# Allegro board trx_layout.brd (continued)
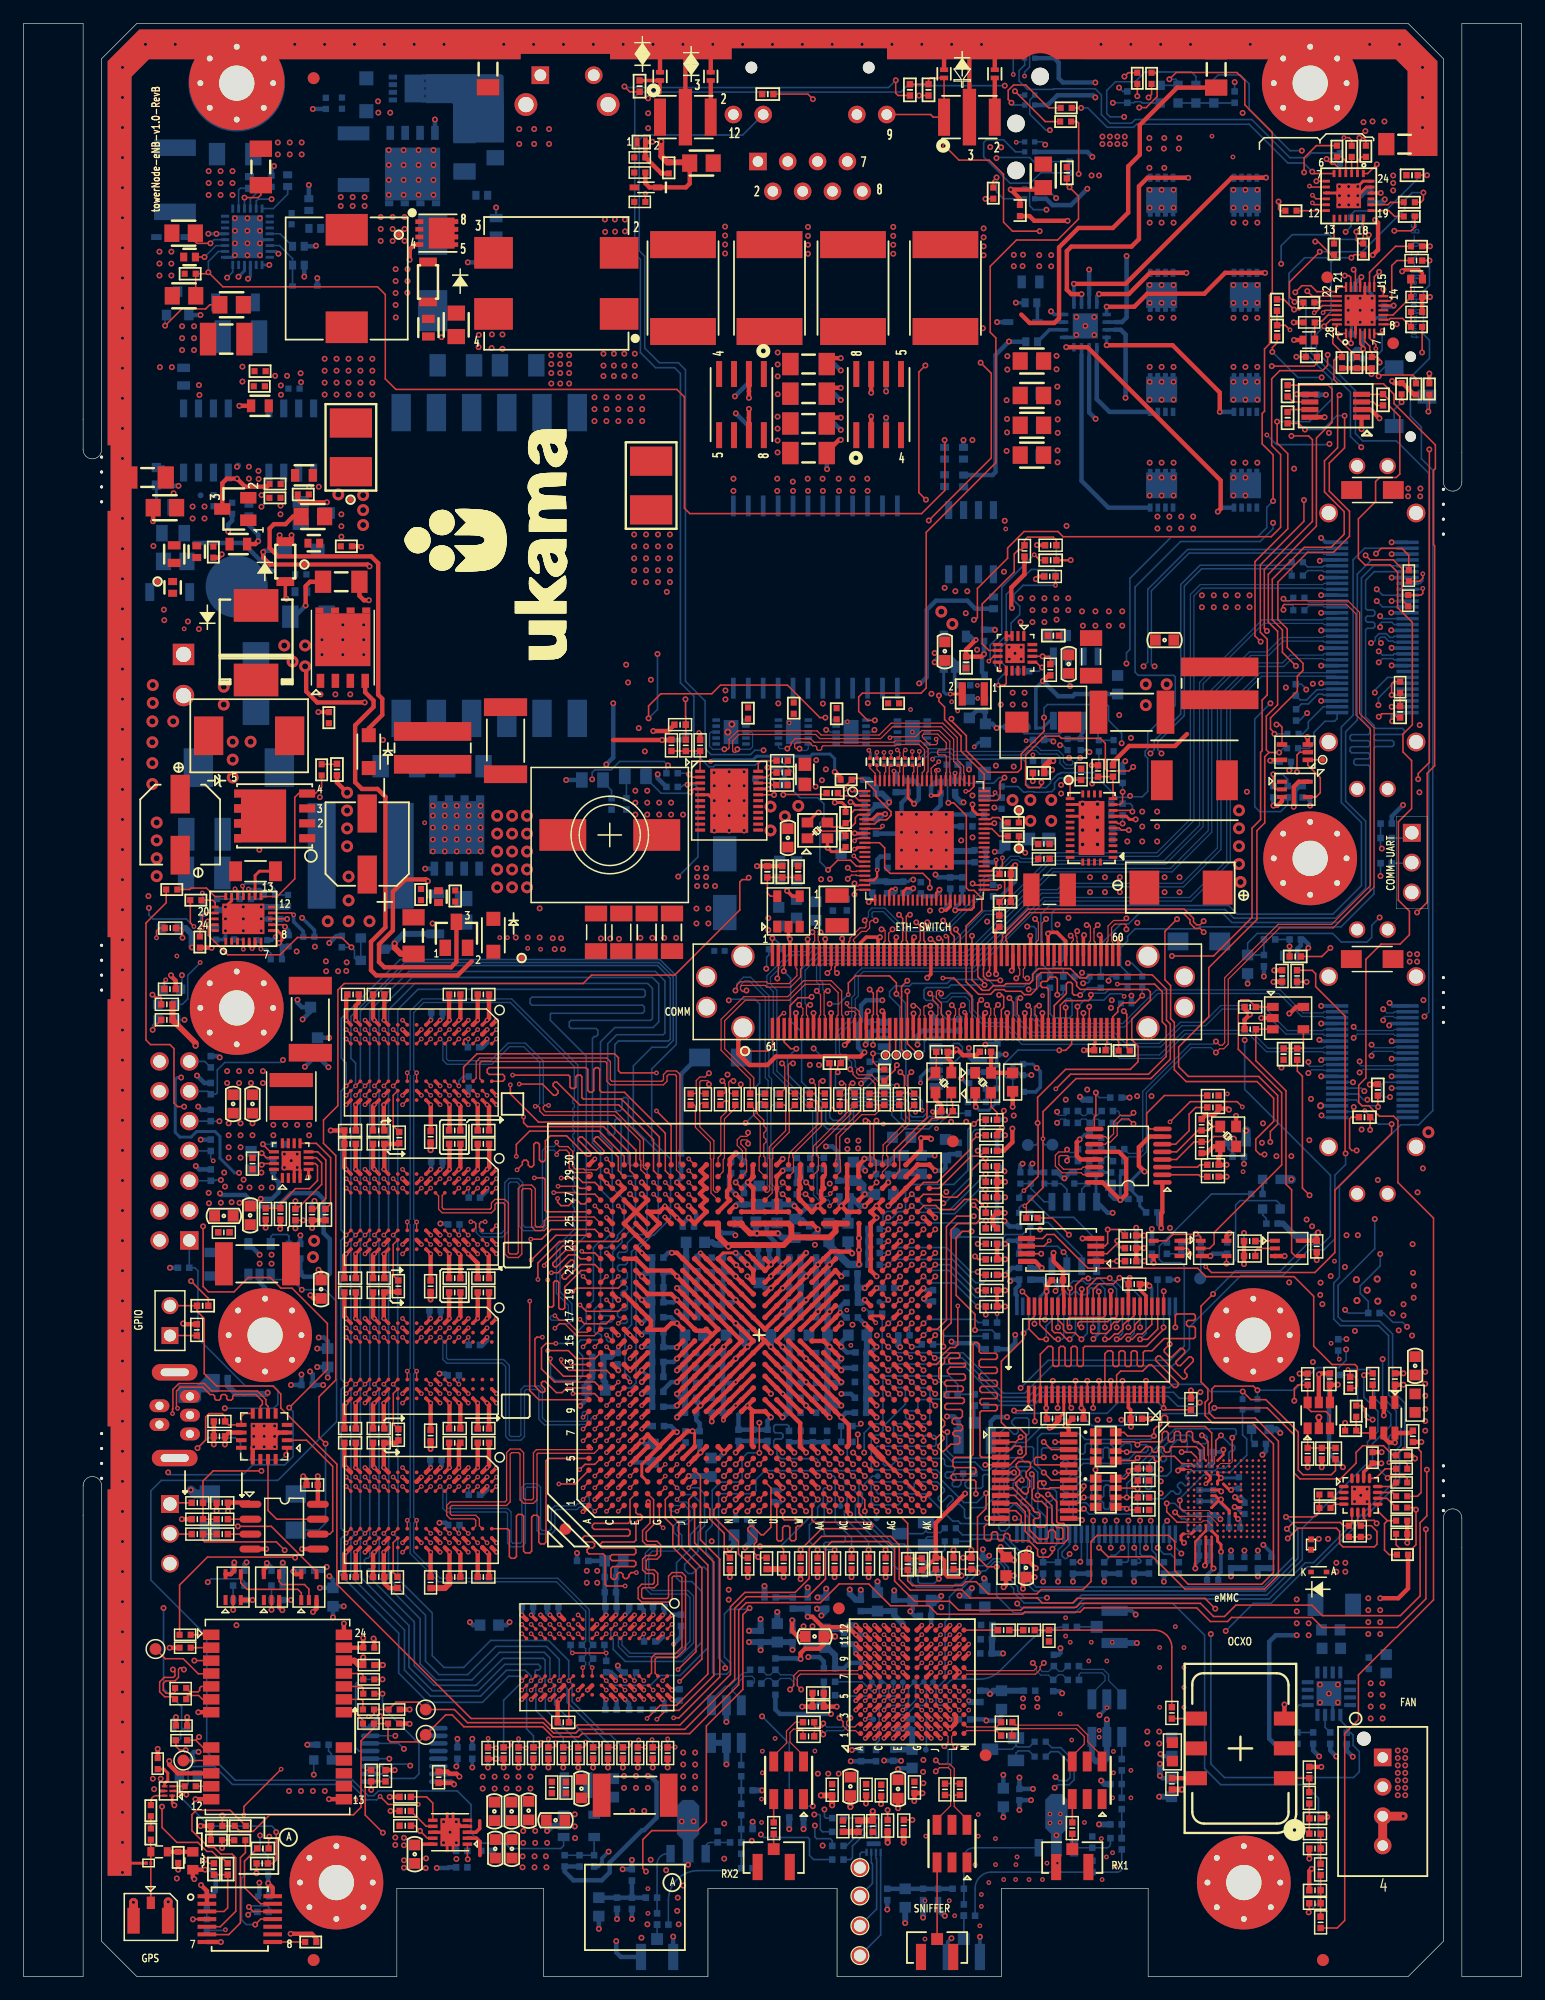
[diagram p0: board, top side]
## Library data of the parts (continued)
R2 R3 R5 R6 R202 R205-R209 R212 R215 R302 R304-R312 R485 R486 R651 R653 R654 = RES SMD 0OHM JUMPER 1/16W 0402
R2N1 R2N2 = RESN#1: signal model: RESISTOR50
R4 R22 R41 R632 R633 R662-R673 R683 = RES_0.0_OHM_1/16W_0402_SMD
R7 R120 R121 R140 R145 R148 R175 R183 R211 R229 R230 R296 R298 R370 R375 R379 R382 R384 R385 R388 R394 R395 R401 R410 R412 R413 R476 R477 R481-R484 R545 R546 R616 R622 R623 R627 R640 R641 R661 R675-R678 R682 R708-R715 = RES
R8 R9 R11 R95 R97 R102 R106-R109 R111 R115 R124-R127 R129 R131 R133 R134 R139 R142 R147 R150-R154 R159 R161-R166 R168 R170 R174 R178 R179 R189 R190 R194 R196-R200 R214 R216-R228 R233 R236 R295 R313 R316-R319 R324 R325 R329 R330 R333 R335 R337 R339 R341 R343-R346 R353-R356 R365 R366 R368 R369 R372-R374 R378 R381 R383 R386 R387 R389-R393 R396-R399 R405-R408 R414-R416 R418 R421 R424-R434 R440-R443 R452-R464 R474 R475 R638 R660 R699-R706 R720 R721 R724 R725 = R_0
R16 R19 R38 R39 R42 R43 R45-R49 R90 R268 R269 R272-R277 R679 = R_1
R18 = RES_10K_OHM_1/16W_1%_0402_SMD
R27 R29 R32 R35 R50 R53 R54 R58 R59 R99 R104 R245 R248 R250-R252 R255 R256 R259 R262 R263 R270 R271 R279 R281 R282 R284 R287 R299 = CR18-274JM
R33 R258 R419 R420 R657 R729-R731 = R
R40 = CR10-103JM_0
R44 = CR10-103JM_2
R51 = CR10-821JM
R52 = CR10-103JM_1
R55 R56 R280 = CR10-1242FM
R57 R60 R66 R169 R171 R173 R176 R283 R285 R357 R364 R688 R690 R697 R698 R722 R723 R726 R727 = RES_0ohm_0402_63mW
R65 R67 R71 R72 R112 R149 R231 = RES SMD 8.66K OHM 1% 1/10W 0402
R103 = RES: room: POWER
R116 R118 R119 R122 R128 R130 R132 R328 R331 R336 R338 = R_0603
R117 = R_4
R167 R181 R182 R719 = RES_10K_0402_1
R172 R177 = RES_0.9_OHM_1/10W_1%_0402_SMD
R185 = R: signal model: DEFAULT_RESISTOR_1000OHM_1_2
R204 R210 R213 R347 R350 R351 R367 R447 R625 R626 R652 R658 R659 R687 R691-R696 R707 = RES SMD 10K OHM 5% 1/16W 0402
R265 = 100K-1/16W-5%-0603_0
R267 R278 = RES_1.0_OHM_1/16W_0402_SMD
R327 R332 R334 R342 = R_0603_EIA-0402_49.9/1%
R348 R349 R352 R371 R689 = RES SMD 100K OHM 1% 1/16W 0402
R417 = RES: signal model: RES_EIA-0402_DISCRETE_22_22
R422 R423 R451 R467 = RES_0ohm_0402_0
R620 R621 R624 R637 R639 R642-R650 R680 R681 R716 = RES_10K_0402_63mW
R634-R636 R655 R674 = RESISTOR_0ohm_0402_100mw
R656 = R_2
S1 = SWITCH_0
SW1 = Tact Switch
SW10 = 87224-3
T1 = TRANS-VP3_8
T2 = TRANS-DA2125_5
TP2 TP3 TP12-TP15 TP25-TP53 = TestPad_0
TP17-TP24 = T POINT R
U1 = CN7130_4
U3 = BGA_AD9362BBCZ_0
U4 = TPS54319_1
U5 = SN74LVC1G08DCKR_0
U6 U18 U32 U33 U57 = 74LVC1G17SE-7 _0
U7 = TPS53353_0
U8 = LM73605_0
U9 U47 = SEP0640Q38CB_23
U10 = AAT3517
U11 U15 U23 U30 U35 = DDR3_128/256Mb*16
U12 = Oscillator_0
U13 = PI6C557-03BLE
U14 = TPS54319_2
U16 U17 U34 = 74LVC1G08SE-7
U19 = S24CS64A
U21 = SX1509B_1
U22 = 74ALVT16373_TSSOP48
U24 = DMC2038LVT-7
U25 = TXB0101DBVR
U26 = FT230XQ_0
U27 = SN74CBTD38613861PWR
U28 = TMP464AIRGTR_2
U29 = EMMC_NAND_FBGA169_5
U31 = ADUM1201ARZ_0
U36 U48 = SEP0640Q38CB_21
U37 = NEO-M8_0
U38 = RMO1490A_3
U39 = TCM1-63AX_4
U40 = TCM1-63AX_0
U41 = NJG1143UA2_1
U42 = TPS51200_0
U43 = TCM1-63AX_2
U44 = DAC8571IDGKR
U45 = LT4276_5
U46 = LT4321_QFN_0
U49-U51 = HCPL-M453_0
U52 U54 = TCLAMP2502NTCT_1
U53 U55 = TCLAMP2502NTCT_2
U58 U59 = NVT2002DP_0
U62 U250 = CAT24C256WI-GT3
U63 U69 U83 U245 = PAM2301
U64 = JS28F512M29EWH_TSOP56
U65 = ADP1755ACPZ-R7
U66 = TCM1-63AX_1
U67 = TCM1-63AX_3
U68 = 74FST3257DTR2G
U70 U71 = PGA102_0
U87 = TCA9543
U90 = TMP_3
U242 = LP3943
U243 = 88E6341_QFN88_1
U246 = LM25066_1
U248 = SN74AVC1T45DRLR
Y2-Y4 = CRYSTAL_4PIN
Z1 = DIODE ZENER_1

## Footprints (pads in the part's own frame, mm; a bottom-side part is the same pattern mirrored in y, then rotated)
AMPHENOL_MRJ-5384-M1
  round 1.001 hole 1.999 unplated: (-0.56,-8) (9.44,-8)
  rect 1.501x1.501 hole 0.899: 1(0,0)
  round 1.501 hole 0.899: 2(1.27,2.54) 3(2.54,0) 4(3.81,2.54) 5(5.08,0) 6(6.35,2.54) 7(7.62,0) 8(8.89,2.54) 9(10.97,-4) 10(8.43,-4) 11(0.45,-4) 12(-2.09,-4)
B530C_13_F
  rect 2.5x3.3 smd: 1(-3.45,0) 2(3.45,0)
BGA_AD9362BBCZ
  round 1.016 smd: (-6.25,-6.25) (6.25,6.25)
  round 0.45 smd: A1(-4.4,4.4) A2(-3.6,4.4) A3(-2.8,4.4) A4(-2,4.4) A5(-1.2,4.4) A6(-0.4,4.4) A7(0.4,4.4) A8(1.2,4.4) A9(2,4.4) A10(2.8,4.4) A11(3.6,4.4) A12(4.4,4.4) B1(-4.4,3.6) B2(-3.6,3.6) B3(-2.8,3.6) B4(-2,3.6) B5(-1.2,3.6) B6(-0.4,3.6) B7(0.4,3.6) B8(1.2,3.6) B9(2,3.6) B10(2.8,3.6) B11(3.6,3.6) B12(4.4,3.6) C1(-4.4,2.8) C2(-3.6,2.8) C3(-2.8,2.8) C4(-2,2.8) C5(-1.2,2.8) C6(-0.4,2.8) C7(0.4,2.8) C8(1.2,2.8) C9(2,2.8) C10(2.8,2.8) C11(3.6,2.8) C12(4.4,2.8) D1(-4.4,2) D2(-3.6,2) D3(-2.8,2) D4(-2,2) D5(-1.2,2) D6(-0.4,2) D7(0.4,2) D8(1.2,2) D9(2,2) D10(2.8,2) D11(3.6,2) D12(4.4,2) E1(-4.4,1.2) E2(-3.6,1.2) E3(-2.8,1.2) E4(-2,1.2) E5(-1.2,1.2) E6(-0.4,1.2) E7(0.4,1.2) E8(1.2,1.2) E9(2,1.2) E10(2.8,1.2) E11(3.6,1.2) E12(4.4,1.2) F1(-4.4,0.4) F2(-3.6,0.4) F3(-2.8,0.4) F4(-2,0.4) F5(-1.2,0.4) F6(-0.4,0.4) F7(0.4,0.4) F8(1.2,0.4) F9(2,0.4) F10(2.8,0.4) F11(3.6,0.4) F12(4.4,0.4) G1(-4.4,-0.4) G2(-3.6,-0.4) G3(-2.8,-0.4) G4(-2,-0.4) G5(-1.2,-0.4) G6(-0.4,-0.4) G7(0.4,-0.4) G8(1.2,-0.4) G9(2,-0.4) G10(2.8,-0.4) G11(3.6,-0.4) G12(4.4,-0.4) H1(-4.4,-1.2) H2(-3.6,-1.2) H3(-2.8,-1.2) H4(-2,-1.2) H5(-1.2,-1.2) H6(-0.4,-1.2) H7(0.4,-1.2) H8(1.2,-1.2) H9(2,-1.2) H10(2.8,-1.2) H11(3.6,-1.2) H12(4.4,-1.2) J1(-4.4,-2) J2(-3.6,-2) J3(-2.8,-2) J4(-2,-2) J5(-1.2,-2) J6(-0.4,-2) J7(0.4,-2) J8(1.2,-2) J9(2,-2) J10(2.8,-2) J11(3.6,-2) J12(4.4,-2) K1(-4.4,-2.8) K2(-3.6,-2.8) K3(-2.8,-2.8) K4(-2,-2.8) K5(-1.2,-2.8) K6(-0.4,-2.8) K7(0.4,-2.8) K8(1.2,-2.8) K9(2,-2.8) K10(2.8,-2.8) K11(3.6,-2.8) K12(4.4,-2.8) L1(-4.4,-3.6) L2(-3.6,-3.6) L3(-2.8,-3.6) L4(-2,-3.6) L5(-1.2,-3.6) L6(-0.4,-3.6) L7(0.4,-3.6) L8(1.2,-3.6) L9(2,-3.6) L10(2.8,-3.6) L11(3.6,-3.6) L12(4.4,-3.6) M1(-4.4,-4.4) M2(-3.6,-4.4) M3(-2.8,-4.4) M4(-2,-4.4) M5(-1.2,-4.4) M6(-0.4,-4.4) M7(0.4,-4.4) M8(1.2,-4.4) M9(2,-4.4) M10(2.8,-4.4) M11(3.6,-4.4) M12(4.4,-4.4)
C0201
  rect 0.3x0.3 smd: 1(-0.3,0) 2(0.3,0)
C0402
  rect 0.533x0.533 smd: 1(-0.475,0) 2(0.475,0)
CA_3_20X1_60_0_50MM
  rect 1x0.7 smd: 1(-0.85,1.2) 4(-0.85,-1.2) 5(0.85,-1.2) 8(0.85,1.2)
  rect 1x0.5 smd: 2(-0.85,0.4) 3(-0.85,-0.4) 6(0.85,-0.4) 7(0.85,0.4)
CAP_5P2_6P8X6P8_9P00
  rect 3.3x1.65 smd: 1(-2.6,0) 2(2.6,0)
CAPAE680X570
  rect 3.25x1.65 smd: 1(-2.6,0) 2(2.6,0)
CAPAE830X1080N
  rect 3.5x2.5 smd: 1(-3.25,0) 2(3.25,0)
CC0402
  rect 0.533x0.533 smd: 1(-0.475,0) 2(0.475,0)
CC0603
  rect 0.711x1.092 smd: 1(-0.75,0) 2(0.75,0)
CC0805
  rect 1.295x1.499 smd: 1(-1,0) 2(1,0)
CC1206
  rect 1.397x1.905 smd: 1(-1.55,0) 2(1.55,0)
CC1210
  rect 1.397x2.794 smd: 1(-1.55,0) 2(1.55,0)
CC1812
  rect 2.5x3.6 smd: 1(-2.075,0) 2(2.075,0)
CC7343
  rect 2.55x2.9 smd: 1(-3.125,0) 2(3.125,0)
CNF7130-1000BG772-G
  round 1.016 smd: (-16.5,16.5) (16.5,-16.5)
  round 0.48 smd: A1(-14.5,14.5) A2(-13.5,14.5) A3(-12.5,14.5) A4(-11.5,14.5) A5(-10.5,14.5) A6(-9.5,14.5) A7(-8.5,14.5) A8(-7.5,14.5) A9(-6.5,14.5) A10(-5.5,14.5) A11(-4.5,14.5) A12(-3.5,14.5) A13(-2.5,14.5) A14(-1.5,14.5) A15(-0.5,14.5) A16(0.5,14.5) A17(1.5,14.5) A18(2.5,14.5) A19(3.5,14.5) A20(4.5,14.5) A21(5.5,14.5) A22(6.5,14.5) A23(7.5,14.5) A24(8.5,14.5) A25(9.5,14.5) A26(10.5,14.5) A27(11.5,14.5) A28(12.5,14.5) A29(13.5,14.5) A30(14.5,14.5) AA1(-14.5,-5.5) AA2(-13.5,-5.5) AA3(-12.5,-5.5) AA4(-11.5,-5.5) AA5(-10.5,-5.5) AA6(-9.5,-5.5) AA9(-6.5,-5.5) AA10(-5.5,-5.5) AA11(-4.5,-5.5) AA12(-3.5,-5.5) AA13(-2.5,-5.5) AA14(-1.5,-5.5) AA15(-0.5,-5.5) AA16(0.5,-5.5) AA17(1.5,-5.5) AA18(2.5,-5.5) AA19(3.5,-5.5) AA20(4.5,-5.5) AA21(5.5,-5.5) AA22(6.5,-5.5) AA25(9.5,-5.5) AA26(10.5,-5.5) AA27(11.5,-5.5) AA28(12.5,-5.5) AA29(13.5,-5.5) AA30(14.5,-5.5) AB1(-14.5,-6.5) AB2(-13.5,-6.5) AB3(-12.5,-6.5) AB4(-11.5,-6.5) AB5(-10.5,-6.5) AB6(-9.5,-6.5) AB9(-6.5,-6.5) AB10(-5.5,-6.5) AB11(-4.5,-6.5) AB12(-3.5,-6.5) AB13(-2.5,-6.5) AB14(-1.5,-6.5) AB15(-0.5,-6.5) AB16(0.5,-6.5) AB17(1.5,-6.5) AB18(2.5,-6.5) AB19(3.5,-6.5) AB20(4.5,-6.5) AB21(5.5,-6.5) AB22(6.5,-6.5) AB25(9.5,-6.5) AB26(10.5,-6.5) AB27(11.5,-6.5) AB28(12.5,-6.5) AB29(13.5,-6.5) AB30(14.5,-6.5) AC1(-14.5,-7.5) AC2(-13.5,-7.5) AC3(-12.5,-7.5) AC4(-11.5,-7.5) AC5(-10.5,-7.5) AC6(-9.5,-7.5) AC25(9.5,-7.5) AC26(10.5,-7.5) AC27(11.5,-7.5) AC28(12.5,-7.5) AC29(13.5,-7.5) AC30(14.5,-7.5) AD1(-14.5,-8.5) AD2(-13.5,-8.5) AD3(-12.5,-8.5) AD4(-11.5,-8.5) AD5(-10.5,-8.5) AD6(-9.5,-8.5) AD25(9.5,-8.5) AD26(10.5,-8.5) AD27(11.5,-8.5) AD28(12.5,-8.5) AD29(13.5,-8.5) AD30(14.5,-8.5) AE1(-14.5,-9.5) AE2(-13.5,-9.5) AE3(-12.5,-9.5) AE4(-11.5,-9.5) AE5(-10.5,-9.5) AE6(-9.5,-9.5) AE7(-8.5,-9.5) AE8(-7.5,-9.5) AE9(-6.5,-9.5) AE10(-5.5,-9.5) AE11(-4.5,-9.5) AE12(-3.5,-9.5) AE13(-2.5,-9.5) AE14(-1.5,-9.5) AE15(-0.5,-9.5) AE16(0.5,-9.5) AE17(1.5,-9.5) AE18(2.5,-9.5) AE19(3.5,-9.5) AE20(4.5,-9.5) AE21(5.5,-9.5) AE22(6.5,-9.5) AE23(7.5,-9.5) AE24(8.5,-9.5) AE25(9.5,-9.5) AE26(10.5,-9.5) AE27(11.5,-9.5) AE28(12.5,-9.5) AE29(13.5,-9.5) AE30(14.5,-9.5) AF1(-14.5,-10.5) AF2(-13.5,-10.5) AF3(-12.5,-10.5) AF4(-11.5,-10.5) AF5(-10.5,-10.5) AF6(-9.5,-10.5) AF7(-8.5,-10.5) AF8(-7.5,-10.5) AF9(-6.5,-10.5) AF10(-5.5,-10.5) AF11(-4.5,-10.5) AF12(-3.5,-10.5) AF13(-2.5,-10.5) AF14(-1.5,-10.5) AF15(-0.5,-10.5) AF16(0.5,-10.5) AF17(1.5,-10.5) AF18(2.5,-10.5) AF19(3.5,-10.5) AF20(4.5,-10.5) AF21(5.5,-10.5) AF22(6.5,-10.5) AF23(7.5,-10.5) AF24(8.5,-10.5) AF25(9.5,-10.5) AF26(10.5,-10.5) AF27(11.5,-10.5) AF28(12.5,-10.5) AF29(13.5,-10.5) AF30(14.5,-10.5) AG1(-14.5,-11.5) AG2(-13.5,-11.5) AG3(-12.5,-11.5) AG4(-11.5,-11.5) AG5(-10.5,-11.5) AG6(-9.5,-11.5) AG7(-8.5,-11.5) AG8(-7.5,-11.5) AG9(-6.5,-11.5) AG10(-5.5,-11.5) AG11(-4.5,-11.5) AG12(-3.5,-11.5) AG13(-2.5,-11.5) AG14(-1.5,-11.5) AG15(-0.5,-11.5) AG16(0.5,-11.5) AG17(1.5,-11.5) AG18(2.5,-11.5) AG19(3.5,-11.5) AG20(4.5,-11.5) AG21(5.5,-11.5) AG22(6.5,-11.5) AG23(7.5,-11.5) AG24(8.5,-11.5) AG25(9.5,-11.5) AG26(10.5,-11.5) AG27(11.5,-11.5) AG28(12.5,-11.5) AG29(13.5,-11.5) AG30(14.5,-11.5) AH1(-14.5,-12.5) AH2(-13.5,-12.5) AH3(-12.5,-12.5) AH4(-11.5,-12.5) AH5(-10.5,-12.5) AH6(-9.5,-12.5) AH7(-8.5,-12.5) AH8(-7.5,-12.5) AH9(-6.5,-12.5) AH10(-5.5,-12.5) AH11(-4.5,-12.5) AH12(-3.5,-12.5) AH13(-2.5,-12.5) AH14(-1.5,-12.5) AH15(-0.5,-12.5) AH16(0.5,-12.5) AH17(1.5,-12.5) AH18(2.5,-12.5) AH19(3.5,-12.5) AH20(4.5,-12.5) AH21(5.5,-12.5) AH22(6.5,-12.5) AH23(7.5,-12.5) AH24(8.5,-12.5) AH25(9.5,-12.5) AH26(10.5,-12.5) AH27(11.5,-12.5) AH28(12.5,-12.5) AH29(13.5,-12.5) AH30(14.5,-12.5) AJ1(-14.5,-13.5) AJ2(-13.5,-13.5) AJ3(-12.5,-13.5) AJ4(-11.5,-13.5) AJ5(-10.5,-13.5) AJ6(-9.5,-13.5) AJ7(-8.5,-13.5) AJ8(-7.5,-13.5) AJ9(-6.5,-13.5) AJ10(-5.5,-13.5) AJ11(-4.5,-13.5) AJ12(-3.5,-13.5) AJ13(-2.5,-13.5) AJ14(-1.5,-13.5) AJ15(-0.5,-13.5) AJ16(0.5,-13.5) AJ17(1.5,-13.5) AJ18(2.5,-13.5) AJ19(3.5,-13.5) AJ20(4.5,-13.5) AJ21(5.5,-13.5) AJ22(6.5,-13.5) AJ23(7.5,-13.5) AJ24(8.5,-13.5) AJ25(9.5,-13.5) AJ26(10.5,-13.5) AJ27(11.5,-13.5) AJ28(12.5,-13.5) AJ29(13.5,-13.5) AJ30(14.5,-13.5) AK1(-14.5,-14.5) AK2(-13.5,-14.5) AK3(-12.5,-14.5) AK4(-11.5,-14.5) AK5(-10.5,-14.5) AK6(-9.5,-14.5) AK7(-8.5,-14.5) AK8(-7.5,-14.5) AK9(-6.5,-14.5) AK10(-5.5,-14.5) AK11(-4.5,-14.5) AK12(-3.5,-14.5) AK13(-2.5,-14.5) AK14(-1.5,-14.5) AK15(-0.5,-14.5) AK16(0.5,-14.5) AK17(1.5,-14.5) AK18(2.5,-14.5) AK19(3.5,-14.5) AK20(4.5,-14.5) AK21(5.5,-14.5) AK22(6.5,-14.5) AK23(7.5,-14.5) AK24(8.5,-14.5) AK25(9.5,-14.5) AK26(10.5,-14.5) AK27(11.5,-14.5) AK28(12.5,-14.5) AK29(13.5,-14.5) AK30(14.5,-14.5) B1(-14.5,13.5) B2(-13.5,13.5) B3(-12.5,13.5) B4(-11.5,13.5) B5(-10.5,13.5) B6(-9.5,13.5) B7(-8.5,13.5) B8(-7.5,13.5) B9(-6.5,13.5) B10(-5.5,13.5) B11(-4.5,13.5) B12(-3.5,13.5) B13(-2.5,13.5) B14(-1.5,13.5) B15(-0.5,13.5) B16(0.5,13.5) B17(1.5,13.5) B18(2.5,13.5) B19(3.5,13.5) B20(4.5,13.5) B21(5.5,13.5) B22(6.5,13.5) B23(7.5,13.5) B24(8.5,13.5) B25(9.5,13.5) B26(10.5,13.5) B27(11.5,13.5) B28(12.5,13.5) B29(13.5,13.5) B30(14.5,13.5) C1(-14.5,12.5) C2(-13.5,12.5) C3(-12.5,12.5) C4(-11.5,12.5) C5(-10.5,12.5) C6(-9.5,12.5) C7(-8.5,12.5) C8(-7.5,12.5) C9(-6.5,12.5) C10(-5.5,12.5) C11(-4.5,12.5) C12(-3.5,12.5) C13(-2.5,12.5) C14(-1.5,12.5) C15(-0.5,12.5) C16(0.5,12.5) C17(1.5,12.5) C18(2.5,12.5) C19(3.5,12.5) C20(4.5,12.5) C21(5.5,12.5) C22(6.5,12.5) C23(7.5,12.5) C24(8.5,12.5) C25(9.5,12.5) C26(10.5,12.5) C27(11.5,12.5) C28(12.5,12.5) C29(13.5,12.5) C30(14.5,12.5) D1(-14.5,11.5) D2(-13.5,11.5) D3(-12.5,11.5) D4(-11.5,11.5) D5(-10.5,11.5) D6(-9.5,11.5) D7(-8.5,11.5) D8(-7.5,11.5) D9(-6.5,11.5) D10(-5.5,11.5) D11(-4.5,11.5) D12(-3.5,11.5) D13(-2.5,11.5) D14(-1.5,11.5) D15(-0.5,11.5) D16(0.5,11.5) D17(1.5,11.5) D18(2.5,11.5) D19(3.5,11.5) D20(4.5,11.5) D21(5.5,11.5) D22(6.5,11.5) D23(7.5,11.5) D24(8.5,11.5) D25(9.5,11.5) D26(10.5,11.5) D27(11.5,11.5) D28(12.5,11.5) D29(13.5,11.5) D30(14.5,11.5) E1(-14.5,10.5) E2(-13.5,10.5) E3(-12.5,10.5) E4(-11.5,10.5) E5(-10.5,10.5) E6(-9.5,10.5) E7(-8.5,10.5) E8(-7.5,10.5) E9(-6.5,10.5) E10(-5.5,10.5) E11(-4.5,10.5) E12(-3.5,10.5) E13(-2.5,10.5) E14(-1.5,10.5) E15(-0.5,10.5) E16(0.5,10.5) E17(1.5,10.5) E18(2.5,10.5) E19(3.5,10.5) E20(4.5,10.5) E21(5.5,10.5) E22(6.5,10.5) E23(7.5,10.5) E24(8.5,10.5) E25(9.5,10.5) E26(10.5,10.5) E27(11.5,10.5) E28(12.5,10.5) E29(13.5,10.5) E30(14.5,10.5) F1(-14.5,9.5) F2(-13.5,9.5) F3(-12.5,9.5) F4(-11.5,9.5) F5(-10.5,9.5) F6(-9.5,9.5) F7(-8.5,9.5) F8(-7.5,9.5) F9(-6.5,9.5) F10(-5.5,9.5) F11(-4.5,9.5) F12(-3.5,9.5) F13(-2.5,9.5) F14(-1.5,9.5) F15(-0.5,9.5) F16(0.5,9.5) F17(1.5,9.5) F18(2.5,9.5) F19(3.5,9.5) F20(4.5,9.5) F21(5.5,9.5) F22(6.5,9.5) F23(7.5,9.5) F24(8.5,9.5) F25(9.5,9.5) F26(10.5,9.5) F27(11.5,9.5) F28(12.5,9.5) F29(13.5,9.5) F30(14.5,9.5) G1(-14.5,8.5) G2(-13.5,8.5) G3(-12.5,8.5) G4(-11.5,8.5) G5(-10.5,8.5) G6(-9.5,8.5) G25(9.5,8.5) G26(10.5,8.5) G27(11.5,8.5) G28(12.5,8.5) G29(13.5,8.5) G30(14.5,8.5) H1(-14.5,7.5) H2(-13.5,7.5) H3(-12.5,7.5) H4(-11.5,7.5) H5(-10.5,7.5) H6(-9.5,7.5) H25(9.5,7.5) H26(10.5,7.5) H27(11.5,7.5) H28(12.5,7.5) H29(13.5,7.5) H30(14.5,7.5) J1(-14.5,6.5) J2(-13.5,6.5) J3(-12.5,6.5) J4(-11.5,6.5) J5(-10.5,6.5) J6(-9.5,6.5) J9(-6.5,6.5) J10(-5.5,6.5) J11(-4.5,6.5) J12(-3.5,6.5) J13(-2.5,6.5) J14(-1.5,6.5) J15(-0.5,6.5) J16(0.5,6.5) J17(1.5,6.5) J18(2.5,6.5) J19(3.5,6.5) J20(4.5,6.5) J21(5.5,6.5) J22(6.5,6.5) J25(9.5,6.5) J26(10.5,6.5) J27(11.5,6.5) J28(12.5,6.5) J29(13.5,6.5) J30(14.5,6.5) K1(-14.5,5.5) K2(-13.5,5.5) K3(-12.5,5.5) K4(-11.5,5.5) K5(-10.5,5.5) K6(-9.5,5.5) K9(-6.5,5.5) K10(-5.5,5.5) K11(-4.5,5.5) K12(-3.5,5.5) K13(-2.5,5.5) K14(-1.5,5.5) K15(-0.5,5.5) K16(0.5,5.5) K17(1.5,5.5) K18(2.5,5.5) K19(3.5,5.5) K20(4.5,5.5) K21(5.5,5.5) K22(6.5,5.5) K25(9.5,5.5) K26(10.5,5.5) K27(11.5,5.5) K28(12.5,5.5) K29(13.5,5.5) K30(14.5,5.5) L1(-14.5,4.5) L2(-13.5,4.5) L3(-12.5,4.5) L4(-11.5,4.5) L5(-10.5,4.5) L6(-9.5,4.5) L9(-6.5,4.5) L10(-5.5,4.5) L11(-4.5,4.5) L12(-3.5,4.5) L13(-2.5,4.5) L14(-1.5,4.5) L15(-0.5,4.5) L16(0.5,4.5) L17(1.5,4.5) L18(2.5,4.5) L19(3.5,4.5) L20(4.5,4.5) L21(5.5,4.5) L22(6.5,4.5) L25(9.5,4.5) L26(10.5,4.5) L27(11.5,4.5) L28(12.5,4.5) L29(13.5,4.5) L30(14.5,4.5) M1(-14.5,3.5) M2(-13.5,3.5) M3(-12.5,3.5) M4(-11.5,3.5) M5(-10.5,3.5) M6(-9.5,3.5) M9(-6.5,3.5) M10(-5.5,3.5) M11(-4.5,3.5) M12(-3.5,3.5) M13(-2.5,3.5) M14(-1.5,3.5) M15(-0.5,3.5) M16(0.5,3.5) M17(1.5,3.5) M18(2.5,3.5) M19(3.5,3.5) M20(4.5,3.5) M21(5.5,3.5) M22(6.5,3.5) M25(9.5,3.5) M26(10.5,3.5) M27(11.5,3.5) M28(12.5,3.5) M29(13.5,3.5) M30(14.5,3.5) N1(-14.5,2.5) N2(-13.5,2.5) N3(-12.5,2.5) N4(-11.5,2.5) N5(-10.5,2.5) N6(-9.5,2.5) N9(-6.5,2.5) N10(-5.5,2.5) N11(-4.5,2.5) N12(-3.5,2.5) N13(-2.5,2.5) N14(-1.5,2.5) N15(-0.5,2.5) N16(0.5,2.5) N17(1.5,2.5) N18(2.5,2.5) N19(3.5,2.5) N20(4.5,2.5) N21(5.5,2.5) N22(6.5,2.5) N25(9.5,2.5) N26(10.5,2.5) N27(11.5,2.5) N28(12.5,2.5) N29(13.5,2.5) N30(14.5,2.5) P1(-14.5,1.5) P2(-13.5,1.5) P3(-12.5,1.5) P4(-11.5,1.5) P5(-10.5,1.5) P6(-9.5,1.5) P9(-6.5,1.5) P10(-5.5,1.5) P11(-4.5,1.5) P12(-3.5,1.5) P13(-2.5,1.5) P14(-1.5,1.5) P15(-0.5,1.5) P16(0.5,1.5) P17(1.5,1.5) P18(2.5,1.5) P19(3.5,1.5) P20(4.5,1.5) P21(5.5,1.5) P22(6.5,1.5) P25(9.5,1.5) P26(10.5,1.5) P27(11.5,1.5) P28(12.5,1.5) P29(13.5,1.5) P30(14.5,1.5) R1(-14.5,0.5) R2(-13.5,0.5) R3(-12.5,0.5) R4(-11.5,0.5) R5(-10.5,0.5) R6(-9.5,0.5) R9(-6.5,0.5) R10(-5.5,0.5) R11(-4.5,0.5) R12(-3.5,0.5) R13(-2.5,0.5) R14(-1.5,0.5) R15(-0.5,0.5) R16(0.5,0.5) R17(1.5,0.5) R18(2.5,0.5) R19(3.5,0.5) R20(4.5,0.5) R21(5.5,0.5) R22(6.5,0.5) R25(9.5,0.5) R26(10.5,0.5) R27(11.5,0.5) R28(12.5,0.5) R29(13.5,0.5) R30(14.5,0.5) T1(-14.5,-0.5) T2(-13.5,-0.5) T3(-12.5,-0.5) T4(-11.5,-0.5) T5(-10.5,-0.5) T6(-9.5,-0.5) T9(-6.5,-0.5) T10(-5.5,-0.5) T11(-4.5,-0.5) T12(-3.5,-0.5) T13(-2.5,-0.5) T14(-1.5,-0.5) T15(-0.5,-0.5) T16(0.5,-0.5) T17(1.5,-0.5) T18(2.5,-0.5) T19(3.5,-0.5) T20(4.5,-0.5) T21(5.5,-0.5) T22(6.5,-0.5) T25(9.5,-0.5) T26(10.5,-0.5) T27(11.5,-0.5) T28(12.5,-0.5) T29(13.5,-0.5) T30(14.5,-0.5) U1(-14.5,-1.5) U2(-13.5,-1.5) U3(-12.5,-1.5) U4(-11.5,-1.5) U5(-10.5,-1.5) U6(-9.5,-1.5) U9(-6.5,-1.5) U10(-5.5,-1.5) U11(-4.5,-1.5) U12(-3.5,-1.5) U13(-2.5,-1.5) U14(-1.5,-1.5) U15(-0.5,-1.5) U16(0.5,-1.5) U17(1.5,-1.5) U18(2.5,-1.5) U19(3.5,-1.5) U20(4.5,-1.5) U21(5.5,-1.5) U22(6.5,-1.5) U25(9.5,-1.5) U26(10.5,-1.5) U27(11.5,-1.5) U28(12.5,-1.5) U29(13.5,-1.5) U30(14.5,-1.5) V1(-14.5,-2.5) V2(-13.5,-2.5) V3(-12.5,-2.5) V4(-11.5,-2.5) V5(-10.5,-2.5) V6(-9.5,-2.5) V9(-6.5,-2.5) V10(-5.5,-2.5) V11(-4.5,-2.5) V12(-3.5,-2.5) V13(-2.5,-2.5) V14(-1.5,-2.5) V15(-0.5,-2.5) V16(0.5,-2.5) V17(1.5,-2.5) V18(2.5,-2.5) V19(3.5,-2.5) V20(4.5,-2.5) V21(5.5,-2.5) V22(6.5,-2.5) V25(9.5,-2.5) V26(10.5,-2.5) V27(11.5,-2.5) V28(12.5,-2.5) V29(13.5,-2.5) V30(14.5,-2.5) W1(-14.5,-3.5) W2(-13.5,-3.5) W3(-12.5,-3.5) W4(-11.5,-3.5) W5(-10.5,-3.5) W6(-9.5,-3.5) W9(-6.5,-3.5) W10(-5.5,-3.5) W11(-4.5,-3.5) W12(-3.5,-3.5) W13(-2.5,-3.5) W14(-1.5,-3.5) W15(-0.5,-3.5) W16(0.5,-3.5) W17(1.5,-3.5) W18(2.5,-3.5) W19(3.5,-3.5) W20(4.5,-3.5) W21(5.5,-3.5) W22(6.5,-3.5) W25(9.5,-3.5) W26(10.5,-3.5) W27(11.5,-3.5) W28(12.5,-3.5) W29(13.5,-3.5) W30(14.5,-3.5) Y1(-14.5,-4.5) Y2(-13.5,-4.5) Y3(-12.5,-4.5) Y4(-11.5,-4.5) Y5(-10.5,-4.5) Y6(-9.5,-4.5) Y9(-6.5,-4.5) Y10(-5.5,-4.5) Y11(-4.5,-4.5) Y12(-3.5,-4.5) Y13(-2.5,-4.5) Y14(-1.5,-4.5) Y15(-0.5,-4.5) Y16(0.5,-4.5) Y17(1.5,-4.5) Y18(2.5,-4.5) Y19(3.5,-4.5) Y20(4.5,-4.5) Y21(5.5,-4.5) Y22(6.5,-4.5) Y25(9.5,-4.5) Y26(10.5,-4.5) Y27(11.5,-4.5) Y28(12.5,-4.5) Y29(13.5,-4.5) Y30(14.5,-4.5)
CON-HRS-UFL
  rect 1.016x1.016 smd: 1(0,0)
  rect 0.864x2.235 smd: 2(-1.372,1.524) 3(1.372,1.524)
CON_40P_24_05X9_02_13_01MM_P
  rect 1.9x0.3 smd: 1(-3,4.75) 2(-3,4.25) 3(-3,3.75) 4(-3,3.25) 5(-3,2.75) 6(-3,2.25) 7(-3,1.75) 8(-3,1.25) 9(-3,0.75) 10(-3,0.25) 11(-3,-0.25) 12(-3,-0.75) 13(-3,-1.25) 14(-3,-1.75) 15(-3,-2.25) 16(-3,-2.75) 17(-3,-3.25) 18(-3,-3.75) 19(-3,-4.25) 20(-3,-4.75) 21(3,4.75) 22(3,4.25) 23(3,3.75) 24(3,3.25) 25(3,2.75) 26(3,2.25) 27(3,1.75) 28(3,1.25) 29(3,0.75) 30(3,0.25) 31(3,-0.25) 32(3,-0.75) 33(3,-1.25) 34(3,-1.75) 35(3,-2.25) 36(3,-2.75) 37(3,-3.25) 38(3,-3.75) 39(3,-4.25) 40(3,-4.75)
  round 1.399 hole 1.001: G1(1.3,11.25) G2(1.3,-11.25) G3(-1.3,11.25) G4(-1.3,-11.25)
  round 1.6 hole 1.199: PC1(3.725,7.25) PC2(3.725,-7.25) PC3(-3.725,7.25) PC4(-3.725,-7.25)
CON_60P_29_00X9_02_13_01MM_P
  rect 1.9x0.3 smd: 1(-3,12.25) 2(-3,11.75) 3(-3,11.25) 4(-3,10.75) 5(-3,10.25) 6(-3,9.75) 7(-3,9.25) 8(-3,8.75) 9(-3,8.25) 10(-3,7.75) 11(-3,7.25) 12(-3,6.75) 13(-3,6.25) 14(-3,5.75) 15(-3,5.25) 16(-3,4.75) 17(-3,4.25) 18(-3,3.75) 19(-3,3.25) 20(-3,2.75) 21(-3,2.25) 22(-3,1.75) 23(-3,1.25) 24(-3,0.75) 25(-3,0.25) 26(-3,-0.25) 27(-3,-0.75) 28(-3,-1.25) 29(-3,-1.75) 30(-3,-2.25) 31(3,12.25) 32(3,11.75) 33(3,11.25) 34(3,10.75) 35(3,10.25) 36(3,9.75) 37(3,9.25) 38(3,8.75) 39(3,8.25) 40(3,7.75) 41(3,7.25) 42(3,6.75) 43(3,6.25) 44(3,5.75) 45(3,5.25) 46(3,4.75) 47(3,4.25) 48(3,3.75) 49(3,3.25) 50(3,2.75) 51(3,2.25) 52(3,1.75) 53(3,1.25) 54(3,0.75) 55(3,0.25) 56(3,-0.25) 57(3,-0.75) 58(3,-1.25) 59(3,-1.75) 60(3,-2.25)
  round 1.399 hole 1.001: G1(-1.3,18.75) G2(-1.3,-8.75) G3(1.3,18.75) G4(1.3,-8.75)
  round 1.6 hole 1.199: PC1(-3.725,14.75) PC2(-3.725,-4.75) PC3(3.725,14.75) PC4(3.725,-4.75)
CON_120P_39_00X9_02_13_01MM_SOC
  rect 1.9x0.3 smd: 1(3.15,14.745) 2(3.15,14.245) 3(3.15,13.745) 4(3.15,13.245) 5(3.15,12.745) 6(3.15,12.245) 7(3.15,11.745) 8(3.15,11.245) 9(3.15,10.745) 10(3.15,10.245) 11(3.15,9.745) 12(3.15,9.245) 13(3.15,8.745) 14(3.15,8.245) 15(3.15,7.745) 16(3.15,7.245) 17(3.15,6.745) 18(3.15,6.245) 19(3.15,5.745) 20(3.15,5.245) 21(3.15,4.745) 22(3.15,4.245) 23(3.15,3.745) 24(3.15,3.245) 25(3.15,2.745) 26(3.15,2.245) 27(3.15,1.745) 28(3.15,1.245) 29(3.15,0.745) 30(3.15,0.245) 31(3.15,-0.255) 32(3.15,-0.755) 33(3.15,-1.255) 34(3.15,-1.755) 35(3.15,-2.255) 36(3.15,-2.755) 37(3.15,-3.255) 38(3.15,-3.755) 39(3.15,-4.255) 40(3.15,-4.755) 41(3.15,-5.245) 42(3.15,-5.745) 43(3.15,-6.245) 44(3.15,-6.745) 45(3.15,-7.245) 46(3.15,-7.745) 47(3.15,-8.245) 48(3.15,-8.745) 49(3.15,-9.245) 50(3.15,-9.745) 51(3.15,-10.245) 52(3.15,-10.745) 53(3.15,-11.245) 54(3.15,-11.745) 55(3.15,-12.245) 56(3.15,-12.745) 57(3.15,-13.245) 58(3.15,-13.745) 59(3.15,-14.245) 60(3.15,-14.745) 61(-3.15,14.745) 62(-3.15,14.245) 63(-3.15,13.745) 64(-3.15,13.245) 65(-3.15,12.745) 66(-3.15,12.245) 67(-3.15,11.745) 68(-3.15,11.245) 69(-3.15,10.745) 70(-3.15,10.245) 71(-3.15,9.745) 72(-3.15,9.245) 73(-3.15,8.745) 74(-3.15,8.245) 75(-3.15,7.745) 76(-3.15,7.245) 77(-3.15,6.745) 78(-3.15,6.245) 79(-3.15,5.745) 80(-3.15,5.245) 81(-3.15,4.745) 82(-3.15,4.245) 83(-3.15,3.745) 84(-3.15,3.245) 85(-3.15,2.745) 86(-3.15,2.245) 87(-3.15,1.745) 88(-3.15,1.245) 89(-3.15,0.745) 90(-3.15,0.245) 91(-3.15,-0.255) 92(-3.15,-0.755) 93(-3.15,-1.255) 94(-3.15,-1.755) 95(-3.15,-2.255) 96(-3.15,-2.755) 97(-3.15,-3.255) 98(-3.15,-3.755) 99(-3.15,-4.255) 100(-3.15,-4.755) 101(-3.15,-5.255) 102(-3.15,-5.755) 103(-3.15,-6.255) 104(-3.15,-6.755) 105(-3.15,-7.255) 106(-3.15,-7.755) 107(-3.15,-8.255) 108(-3.15,-8.755) 109(-3.15,-9.255) 110(-3.15,-9.755) 111(-3.15,-10.245) 112(-3.15,-10.745) 113(-3.15,-11.245) 114(-3.15,-11.745) 115(-3.15,-12.245) 116(-3.15,-12.745) 117(-3.15,-13.245) 118(-3.15,-13.745) 119(-3.15,-14.245) 120(-3.15,-14.745)
  round 1.8 hole 1.4: G1(-1.3,20.345) G2(-1.3,-20.355) G3(1.3,20.345) G4(1.3,-20.355)
  round 2 hole 1.6: PC1(-3.05,17.26) PC2(-3.05,-17.24) PC3(3.05,17.26) PC4(3.05,-17.24)
CONN_3P5_8P4X6P9_9P2_2N
  rect 1.829x1.829 hole 1.3: 1(0,0)
  round 1.829 hole 1.3: 2(3.5,0)
D53LC
  rect 2x1.8 smd: 1(-2.25,0) 2(2.25,0)
DFN98X58X50-2N_NXP
  rect 0.4x0.7 smd: 1(-0.35,0) 2(0.35,0)
DIO_4P69_7P11X6P22_2P62
  rect 2.794x3.81 smd: 1(-3.175,0) 2(3.175,0)
DIOM5436X261N_LF_BI
  rect 2.16x2.26 smd: 1(-2.45,0) 2(2.45,0)
EIA-0402
  rect 0.559x0.559 smd: 1(-0.48,0) 2(0.483,0)
EIA-0603
  rect 0.92x0.965 smd: 1(-0.787,0) 2(0.787,0)
EIA-0805
  rect 1x1.3 smd: 1(-0.9,0) 2(0.9,0)
EIA-1206
  rect 1.349x1.9 smd: 1(-1.6,0) 2(1.6,0)
EIA-L0603
  rect 0.92x0.965 smd: 1(-0.787,0) 2(0.787,0)
ELC-SMD6_3
  rect 3x2 smd: 1(-2.5,0) 2(2.5,0)
EMIFIL_101X43W474MV4E
  rect 1.021x3.18 smd: 1(-2.16,0) 2(2.16,0)
  rect 1.141x4.831 smd: 3(0,0)
EPFFP_0P4X1P0X1P0X6N
  rect 0.201x0.499 smd: 1(-0.399,-0.324) 3(0.399,-0.324) 4(0.399,0.324) 6(-0.399,0.324)
  rect 0.201x0.575 smd: 2(0,-0.363) 5(0,0.363)
ESD_DIO_2P_0_67X0_37_0_32MM
  rect 0.32x0.239 smd: 1(0,0.191) 2(0,-0.191)
F0603
  rect 0.599x0.8 smd: 1(-0.701,0) 2(0.701,0)
FBGA96_DDR3
  round 0.325 smd: A1(-3.2,6) A2(-2.4,6) A3(-1.6,6) A7(1.6,6) A8(2.4,6) A9(3.2,6) B1(-3.2,5.2) B2(-2.4,5.2) B3(-1.6,5.2) B7(1.6,5.2) B8(2.4,5.2) B9(3.2,5.2) C1(-3.2,4.4) C2(-2.4,4.4) C3(-1.6,4.4) C7(1.6,4.4) C8(2.4,4.4) C9(3.2,4.4) D1(-3.2,3.6) D2(-2.4,3.6) D3(-1.6,3.6) D7(1.6,3.6) D8(2.4,3.6) D9(3.2,3.6) E1(-3.2,2.8) E2(-2.4,2.8) E3(-1.6,2.8) E7(1.6,2.8) E8(2.4,2.8) E9(3.2,2.8) F1(-3.2,2) F2(-2.4,2) F3(-1.6,2) F7(1.6,2) F8(2.4,2) F9(3.2,2) G1(-3.2,1.2) G2(-2.4,1.2) G3(-1.6,1.2) G7(1.6,1.2) G8(2.4,1.2) G9(3.2,1.2) H1(-3.2,0.4) H2(-2.4,0.4) H3(-1.6,0.4) H7(1.6,0.4) H8(2.4,0.4) H9(3.2,0.4) J1(-3.2,-0.4) J2(-2.4,-0.4) J3(-1.6,-0.4) J7(1.6,-0.4) J8(2.4,-0.4) J9(3.2,-0.4) K1(-3.2,-1.2) K2(-2.4,-1.2) K3(-1.6,-1.2) K7(1.6,-1.2) K8(2.4,-1.2) K9(3.2,-1.2) L1(-3.2,-2) L2(-2.4,-2) L3(-1.6,-2) L7(1.6,-2) L8(2.4,-2) L9(3.2,-2) M1(-3.2,-2.8) M2(-2.4,-2.8) M3(-1.6,-2.8) M7(1.6,-2.8) M8(2.4,-2.8) M9(3.2,-2.8) N1(-3.2,-3.6) N2(-2.4,-3.6) N3(-1.6,-3.6) N7(1.6,-3.6) N8(2.4,-3.6) N9(3.2,-3.6) P1(-3.2,-4.4) P2(-2.4,-4.4) P3(-1.6,-4.4) P7(1.6,-4.4) P8(2.4,-4.4) P9(3.2,-4.4) R1(-3.2,-5.2) R2(-2.4,-5.2) R3(-1.6,-5.2) R7(1.6,-5.2) R8(2.4,-5.2) R9(3.2,-5.2) T1(-3.2,-6) T2(-2.4,-6) T3(-1.6,-6) T7(1.6,-6) T8(2.4,-6) T9(3.2,-6)
FIL_ACM1211-102-2PL
  rect 3.3x2.7 smd: 1(-5.35,2.6) 2(-5.35,-2.6) 3(5.35,-2.6) 4(5.35,2.6)
FUSER_0ZCF0100AF2A
  rect 2.301x5.601 smd: 1(-3.7,0) 2(3.7,0)
HDR7X2
  rect 1.575x1.575 hole 1.067: 1(0,0)
  round 1.575 hole 1.067: 2(0,2.54) 3(2.54,0) 4(2.54,2.54) 5(5.08,0) 6(5.08,2.54) 7(7.62,0) 8(7.62,2.54) 9(10.16,0) 10(10.16,2.54) 11(12.7,0) 12(12.7,2.54) 13(15.24,0) 14(15.24,2.54)
HOLE-1
  round 8 hole 3: 1(0,0)
  round 1 hole 0.5: 2(0,3.1) 3(-3.1,0) 4(3.1,0) 5(0,-3.1) 6(-2.3,-2.1) 7(2.3,-2.1) 8(2.3,2.1) 9(-2.3,2.1)
